# Altium PCB DRIVER POWER SUPPLY MODULE.PcbDoc
Units mm, origin at the board's own origin, x right, y up, seen from the top; angles counter-clockwise.
Board outline 240 x 215 mm, 2 copper layers (Top Layer, Bottom Layer), stack 1.371 mm thick; 120 components, 44 nets, 272 pads, 6 vias.
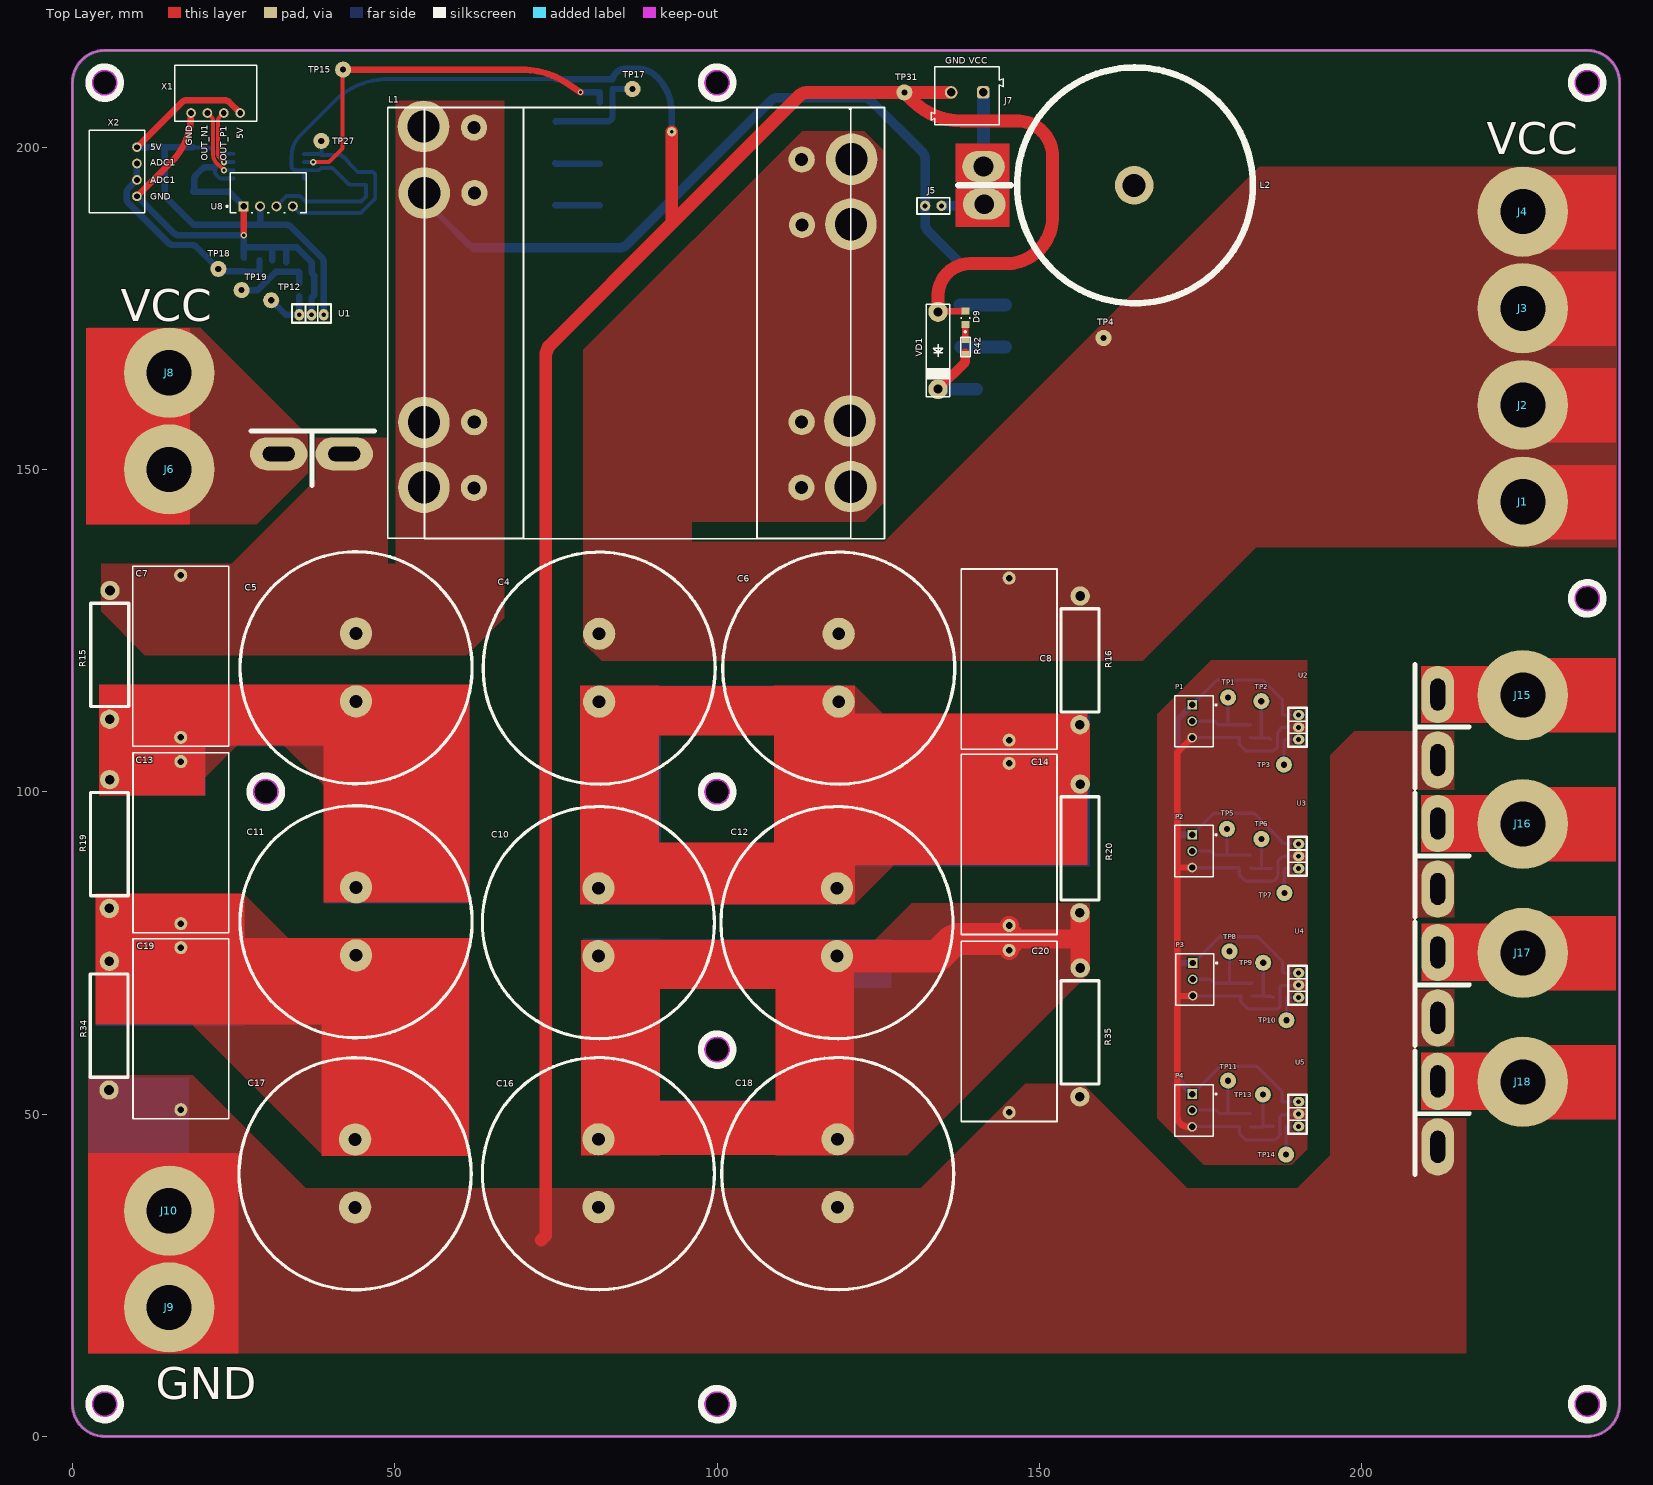
[diagram p0: Top Layer view]
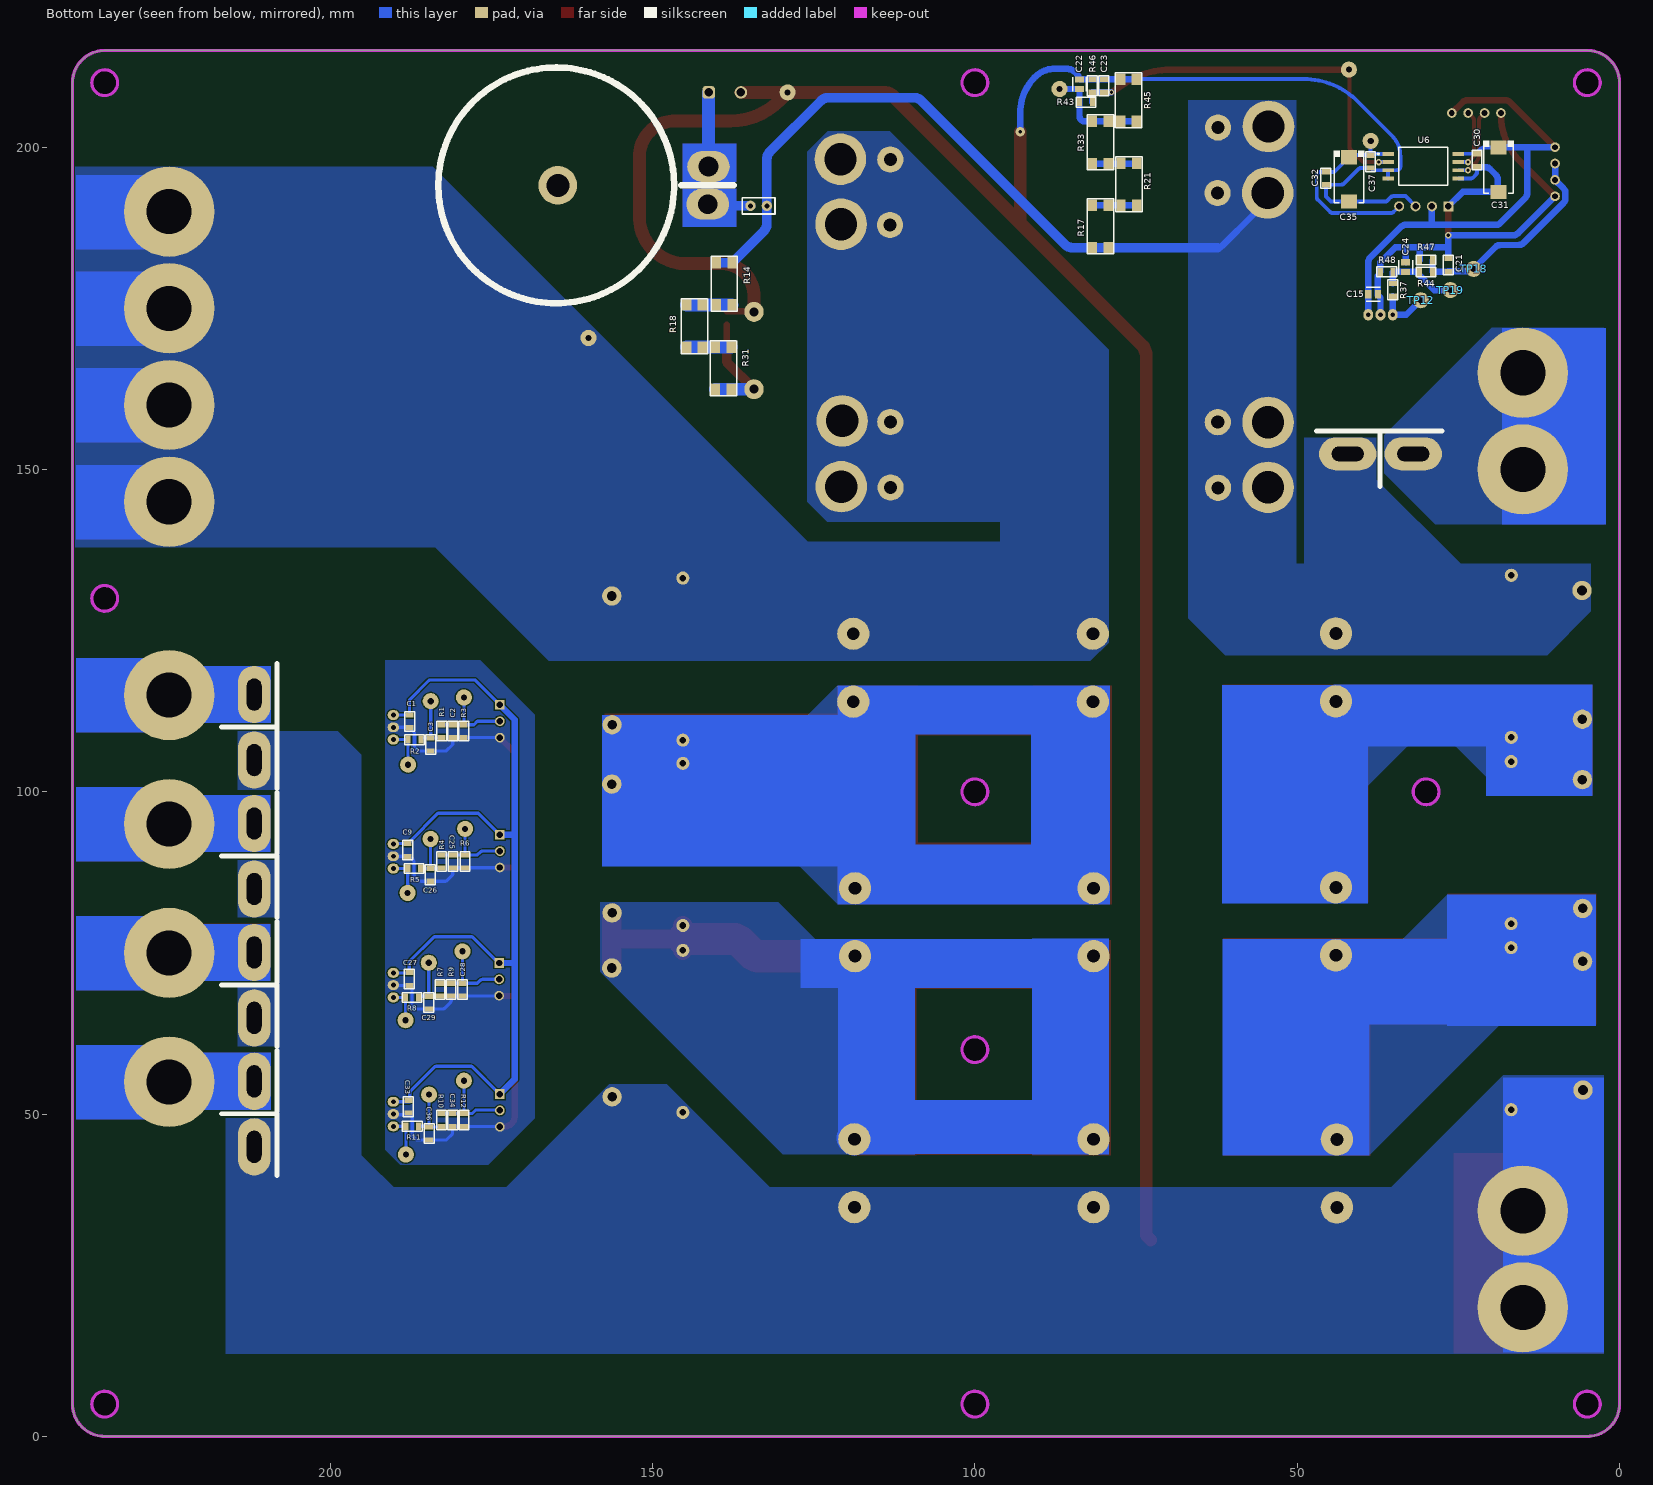
[diagram p1: Bottom Layer view, seen from below]
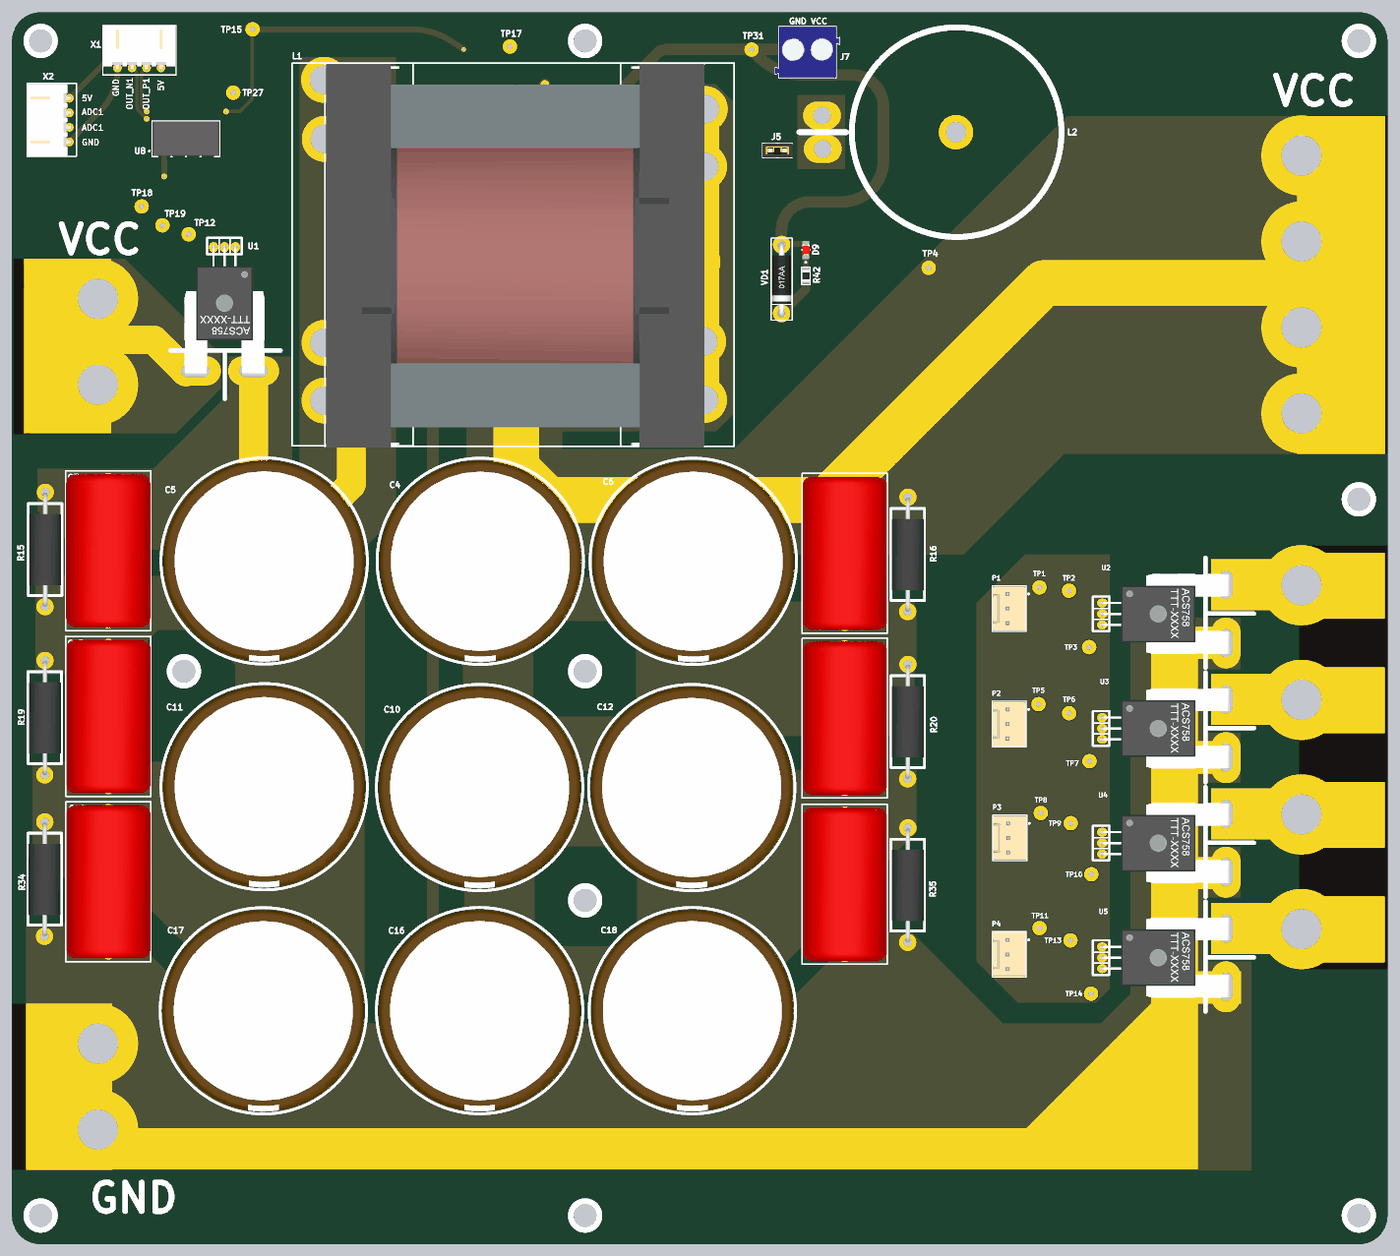
[diagram p2: 3D render of the assembled board from above, using the file's embedded part models]
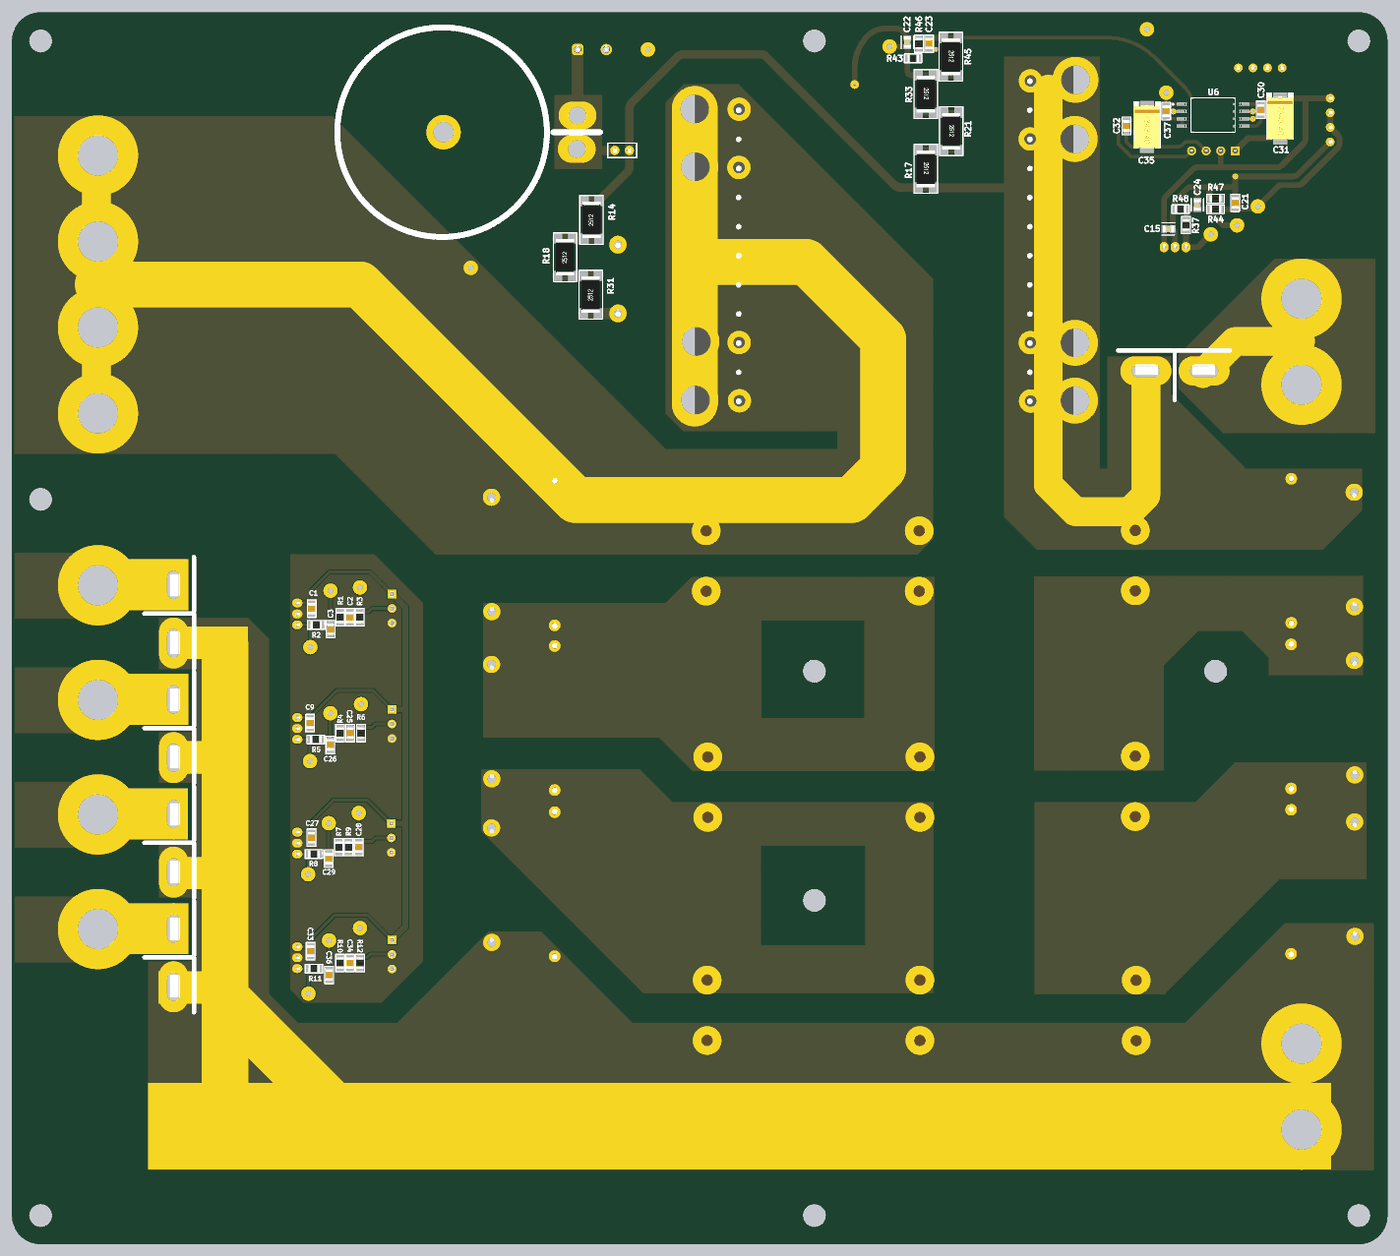
[diagram p3: 3D render of the assembled board from below, using the file's embedded part models]

## Layer stack, top to bottom
Top Solder: solder mask 0.0102, Solder Resist, Dk 3.5
Top Layer: signal copper 0.0356
Dielectric 1: dielectric 1.3, FR-4, Dk 4.8
Bottom Layer: signal copper 0.0356
Bottom Solder: solder mask 0.0102, Solder Resist, Dk 3.5

## Board outline
5,0 cw(c5,5) 0,5 0,210 cw(c5,210) 5,215 235,215 cw(c235,210) 240,210 240,5 cw(c235,5) 235,0
cut-out: 233,5 ccw(c235,5) 235,3 ccw(c235,5) 237,5 ccw(c235,5) 235,7 ccw(c235,5)
cut-out: 233,210 ccw(c235,210) 235,208 ccw(c235,210) 237,210 ccw(c235,210) 235,212 ccw(c235,210)
cut-out: 233,130 ccw(c235,130) 235,128 ccw(c235,130) 237,130 ccw(c235,130) 235,132 ccw(c235,130)
cut-out: 98,5 ccw(c100,5) 100,3 ccw(c100,5) 102,5 ccw(c100,5) 100,7 ccw(c100,5)
cut-out: 100,208 cw(c100,210) 98,210 cw(c100,210) 100,212 cw(c100,210) 102,210 cw(c100,210)
cut-out: 30,98 cw(c30,100) 28,100 cw(c30,100) 30,102 cw(c30,100) 32,100 cw(c30,100)
cut-out: 5,208 cw(c5,210) 3,210 cw(c5,210) 5,212 cw(c5,210) 7,210 cw(c5,210)
cut-out: 100,98 cw(c100,100) 98,100 cw(c100,100) 100,102 cw(c100,100) 102,100 cw(c100,100)
cut-out: 98,60 ccw(c100,60) 100,58 ccw(c100,60) 102,60 ccw(c100,60) 100,62 ccw(c100,60)
cut-out: 5,3 cw(c5,5) 3,5 cw(c5,5) 5,7 cw(c5,5) 7,5 cw(c5,5)

## Design rules (kind name [scope] priority, off if disabled: settings)
Clearance HV [InNetClass('All Nets') vs InNetClass('HV')] p1: gap=0.2 ignorepadtopadclearanceinfootprint=TRUE except(0: Text-Text Text-Hole; 0.4: THPad-THPad THPad-Via THPad-Fill THPad-Poly THPad-Region THPad-Text THPad-Hole Via-Via Via-Fill Via-Poly Via-Region Via-Text Via-Hole; 0.5: SMDPad-SMDPad SMDPad-THPad SMDPad-Via SMDPad-Fill SMDPad-Poly SMDPad-Region SMDPad-Text SMDPad-Hole Fill-Fill Fill-Poly Fill-Region Fill-Text Fill-Hole Poly-Poly Poly-Region Poly-Text Poly-Hole Region-Region Region-Text Region-Hole)
Clearance Clearance_1 [All] p2: gap=0.18 ignorepadtopadclearanceinfootprint=TRUE
Clearance GND [InNet('GND')] p3: gap=0.4 ignorepadtopadclearanceinfootprint=TRUE except(0.3: Text-Text Text-Hole)
ComponentClearance [All] p1: gap=-2.254 collisioncheckmode=3 verticalgap=0.254 showdistances=FALSE
DiffPairsRouting [All] p1: maxlimit=0.254 minlimit=0.1 mostfreqgap=0.254 toplayer_minwidth=0.3 toplayer_maxwidth=2 toplayer_prefwidth=0.3 bottomlayer_minwidth=0.3 bottomlayer_maxwidth=2 bottomlayer_prefwidth=0.3 maxuncoupledlength=12.7
Height [All] p1: minheight=0 maxheight=100 prefheight=12.7
HoleSize [All] p1: absolutevalues=TRUE maxlimit=20 minlimit=0.025 maxpercent=80.000 minpercent=20.000
HoleToHoleClearance [All] p1: gap=0 allowstackedmicrovias=TRUE
LayerPairs [All] p1 off: enforce=TRUE
MinimumSolderMaskSliver [All] p1: minsoldermaskwidth=0.01
PlaneClearance [All] p1: clearance=0.4
PlaneConnect [All] p1: planeconnectstyle=Direct reliefexpansion=0.508 reliefentries=4 reliefconductorwidth=0.254 reliefairgap=0.254
PolygonConnect [All] p1: connectstyle=Direct reliefconductorwidth=0.254 reliefentries=4 polygonreliefangle="90 Angle" airgapwidth=0.254
RoutingCorners [All] p1: cornerstyle=45-Degree minsetback=0.2 maxsetback=0.2
RoutingVias [All] p1: holewidth=0.4 width=0.8 viastyle="Through Hole" minholewidth=0.254 minwidth=0.5 maxholewidth=0.75 maxwidth=1.5
ShortCircuit [All] p1: allowed=TRUE
SilkToSilkClearance [All] p1 off: silktosilkclearance=0.01
SilkToSolderMaskClearance [All] p1: minsilkscreentomaskgap=0 clearancetoexposedcopper=FALSE
SolderMaskExpansion [All] p1: expansion=0 istentingtop=FALSE
UnRoutedNet [All] p1: checkbadconnections=TRUE
Width [All] p1: maxlimit=10 minlimit=0.254 preferedwidth=2
16 further rules are at their usual default settings.

## Classes and differential pairs
net class HV: NetC4_1 NetJ5_1 NetJ6_1 NetJ7_1 NetR31_1 V_PS

## Components (designator, comment, footprint, x,y, rotation, side; value= is the part's Value field where it differs from the comment)
C1 "CAP-NON-POLAR" CAP-0805 187.7,110.925 r90 bottom
C2 "CAP-NON-POLAR" CAP-0805 181.008,109.401 r90 bottom
C3 "CAP-NON-POLAR" CAP-0805 184.426,107.333 r90 bottom
C4 "550V_470uF" 500V_470uF 81.71,119.18 r270 top
C5 "550V_470uF" 500V_470uF 44,119.241 r270 top
C6 "550V_470uF" 500V_470uF 118.87,119.18 r270 top
C7 "4,7uF_630V" CAP_4.7uF_630V 16.79,121.013 r90 top
C8 "4,7uF_630V" CAP_4.7uF_630V 145.305,120.58 r90 top locked
C9 "CAP-NON-POLAR" CAP-0805 188,90.965 r90 bottom
C10 "550V_470uF" 500V_470uF 81.59,79.7 r270 top
C11 "550V_470uF" 500V_470uF 44,79.839 r270 top
C12 "550V_470uF" 500V_470uF 118.6,79.7 r270 top
C13 "4,7uF_630V" CAP_4.7uF_630V 16.82,92.11 r90 top
C14 "4,7uF_630V" CAP_4.7uF_630V 145.305,91.83 r90 top locked
C15 "C0805C224K5RACTU" FP-C0805C-DN-MFG 38.223,177.2 r180 bottom value="0.22 μF"
C16 "550V_470uF" 500V_470uF 81.59,40.757 r270 top
C17 "550V_470uF" 500V_470uF 43.85,40.732 r270 top
C18 "550V_470uF" 500V_470uF 118.71,40.757 r270 top
C19 "4,7uF_630V" CAP_4.7uF_630V 16.82,63.247 r90 top
C20 "4,7uF_630V" CAP_4.7uF_630V 145.305,62.827 r90 top locked
C21 "1uF" CAP-0805 26.56,181.728 r270 bottom
C22 "2.2uF" FP-C0805C-DN-MFG 83.775,209.775 r270 bottom value="0.22 μF"
C23 "1uF" CAP-0805 80,209.525 r270 bottom
C24 "2.2uF" FP-C0805C-DN-MFG 33.19,181.39 r270 bottom value="0.22 μF"
C25 "CAP-NON-POLAR" CAP-0805 180.975,89.2 r90 bottom
C26 "CAP-NON-POLAR" CAP-0805 184.475,87.125 r90 bottom
C27 "CAP-NON-POLAR" CAP-0805 187.75,70.965 r90 bottom
C28 "CAP-NON-POLAR" CAP-0805 179.5,69.3 r90 bottom
C29 "CAP-NON-POLAR" CAP-0805 184.728,67.288 r90 bottom
C30 "0.1uF" CAP-0805 22.1,197.985 r270 bottom
C31 "47uF_16V" CAP-TAN-D 18.75,196.5 r270 bottom
C32 "0.1uF" CAP-0805 45.55,195.175 r90 bottom
C33 "CAP-NON-POLAR" CAP-0805 187.9,51.143 r90 bottom
C34 "CAP-NON-POLAR" CAP-0805 181.025,49.075 r90 bottom
C35 "CAP-POLAR" CAP-TAN-D 41.975,195 r270 bottom
C36 "CAP-NON-POLAR" CAP-0805 184.677,46.977 r90 bottom
C37 "0.1uF" CAP-0805 38.625,197.746 r270 bottom
D9 "151031YS06000" LED_RED 138.525,173.517 r90 top
J1 "100A" Klema_100A#1 225,145 r180 top
J2 "100A" Klema_100A#1 225,160 r180 top
J3 "100A" Klema_100A#1 225,175 r180 top
J4 "100A" Klema_100A#1 225,190 r180 top
J5 "Jumper 1x2.54" Jumper_2.54 133.55,190.9 r180 top
J6 "100A" Klema_100A#2 17,150 r0 top
J7 "691101710002" 691101710002 138.8,208 r180 top
J8 "100A" Klema_100A#2 17,165 r0 top
J9 "100A" Klema_100A#2 17,20 r0 top
J10 "100A" Klema_100A#2 17,35 r0 top
J15 "100A" Klema_100A#1 225,115 r180 top locked
J16 "100A" Klema_100A#1 225,95 r180 top locked
J17 "100A" Klema_100A#1 225,75 r180 top locked
J18 "100A" Klema_100A#1 225,55 r180 top locked
L1 "750311457" Drossel 90.29,174.18 r270 top locked
L2 "Coil" Coil_drosel 170.161,204.235 r90 top
P1 "61900311121" 61900311121 174,110.941 r90 top locked
P2 "61900311121" 61900311121 174,90.79 r90 top locked
P3 "61900311121" 61900311121 174.1,70.9 r90 top locked
P4 "61900311121" 61900311121 174,50.565 r90 top locked
R1 "1K" RES-0805 182.725,109.401 r90 bottom
R2 "1K" RES-0805 186.938,108.095 r180 bottom
R3 "10K" RES-0805 179.325,109.401 r270 bottom
R4 "1K" RES-0805 182.752,89.2 r90 bottom
R5 "1K" RES-0805 187,88.095 r180 bottom
R6 "10K" RES-0805 179.1,89.2 r270 bottom
R7 "1K" RES-0805 182.975,69.3 r90 bottom
R8 "1K" RES-0805 187.325,68.095 r180 bottom
R9 "10K" RES-0805 181.275,69.3 r270 bottom
R10 "1K" RES-0805 182.75,49.075 r90 bottom
R11 "1K" RES-0805 187.3,48.095 r180 bottom
R12 "10K" RES-0805 179.275,49.075 r270 bottom
R14 "330K" RES-2512 138.891,178.792 r90 bottom
R15 "100K" RES-2W 5.79,121.13 r90 top
R16 "100K" RES-2W 156.305,120.27 r90 top
R17 "330K" RES-2512 80.55,187.689 r270 bottom
R18 "330K" RES-2512 143.5,172.25 r90 bottom
R19 "100K" RES-2W 5.74,91.78 r90 top
R20 "100K" RES-2W 156.305,91.09 r90 top
R21 "330K" RES-2512 76.121,194.239 r270 bottom
R31 "330K" RES-2512 139.025,165.725 r90 bottom
R33 "330K" RES-2512 80.55,200.725 r270 bottom
R34 "100K" RES-2W 5.7,63.6 r90 top
R35 "100K" RES-2W 156.305,62.55 r90 top
R37 "10K" RES-0805 35.175,177.875 r270 bottom
R42 "20K" RES-0805 138.525,169 r270 top
R43 "1K" RES-0805 82.775,206.975 r0 bottom
R44 "1K" RES-0805 30.01,180.64 r180 bottom
R45 "3K" RES-2512 76.175,207.25 r270 bottom
R46 "100K" RES-0805 81.775,209.525 r90 bottom
R47 "100K" RES-0805 30.01,182.49 r0 bottom
R48 "15K" RES-0805 36.12,180.65 r180 bottom
TP1 "Test_Point_PCB" Test_Point 179.275,114.625 r90 top
TP2 "Test_Point_PCB" Test_Point 184.425,114.05 r90 top
TP3 "Test_Point_PCB" Test_Point 187.938,104.2 r90 top
TP4 "Test_Point_PCB" Test_Point 159.95,170.4 r0 top
TP5 "Test_Point_PCB" Test_Point 179.1,94.25 r0 top
TP6 "Test_Point_PCB" Test_Point 184.45,92.675 r0 top
TP7 "Test_Point_PCB" Test_Point 188,84.3 r0 top
TP8 "Test_Point_PCB" Test_Point 179.5,75.25 r0 top
TP9 "Test_Point_PCB" Test_Point 184.729,73.475 r0 top
TP10 "Test_Point_PCB" Test_Point 188.325,64.555 r90 top
TP11 "Test_Point_PCB" Test_Point 179.275,55.175 r90 top
TP12 "Test_Point_PCB" Test_Point 30.834,176.251 r90 bottom
TP13 "Test_Point_PCB" Test_Point 184.678,53.023 r90 top
TP14 "Test_Point_PCB" Test_Point 188.275,43.725 r90 top
TP15 "" Test_Point 41.975,212.025 r90 top
TP17 "Test_Point_PCB" Test_Point 86.875,209.025 r90 top
TP18 "" Test_Point 22.622,181.128 r90 bottom
TP19 "Test_Point_PCB" Test_Point 26.25,177.825 r90 bottom
TP27 "Test_Point_PCB" Test_Point 38.6,200.975 r90 top
TP31 "Test_Point_PCB" Test_Point 129.05,208.5 r90 top
U1 "" ACS758-100 37.08,164.23 r180 top
U2 "ACS758" ACS758-100 200,110 r270 top locked
U3 "ACS758" ACS758-100 200,90 r270 top locked
U4 "ACS758" ACS758-100 200,70 r270 top locked
U5 "ACS758" ACS758-100 200,50 r270 top locked
U6 "AMC1311" FP-DWV0008A-MFG 30.45,197.05 r180 bottom
U8 "B0505S-1W" B0505S-1W 30.37,192.926 r0 top
VD1 "" DO-017AA 134.275,168.45 r90 top
X1 "CONN-4-PIN" CONN-PLS-4-2.54mm 26.015,205.3 r180 top
X2 "CONN-4-PIN" CONN-PLS-4-2.54mm 10,200 r270 top locked
